# Allegro board 1155001-Timing_board_V3_20241024_1805_pcb.brd (continued)
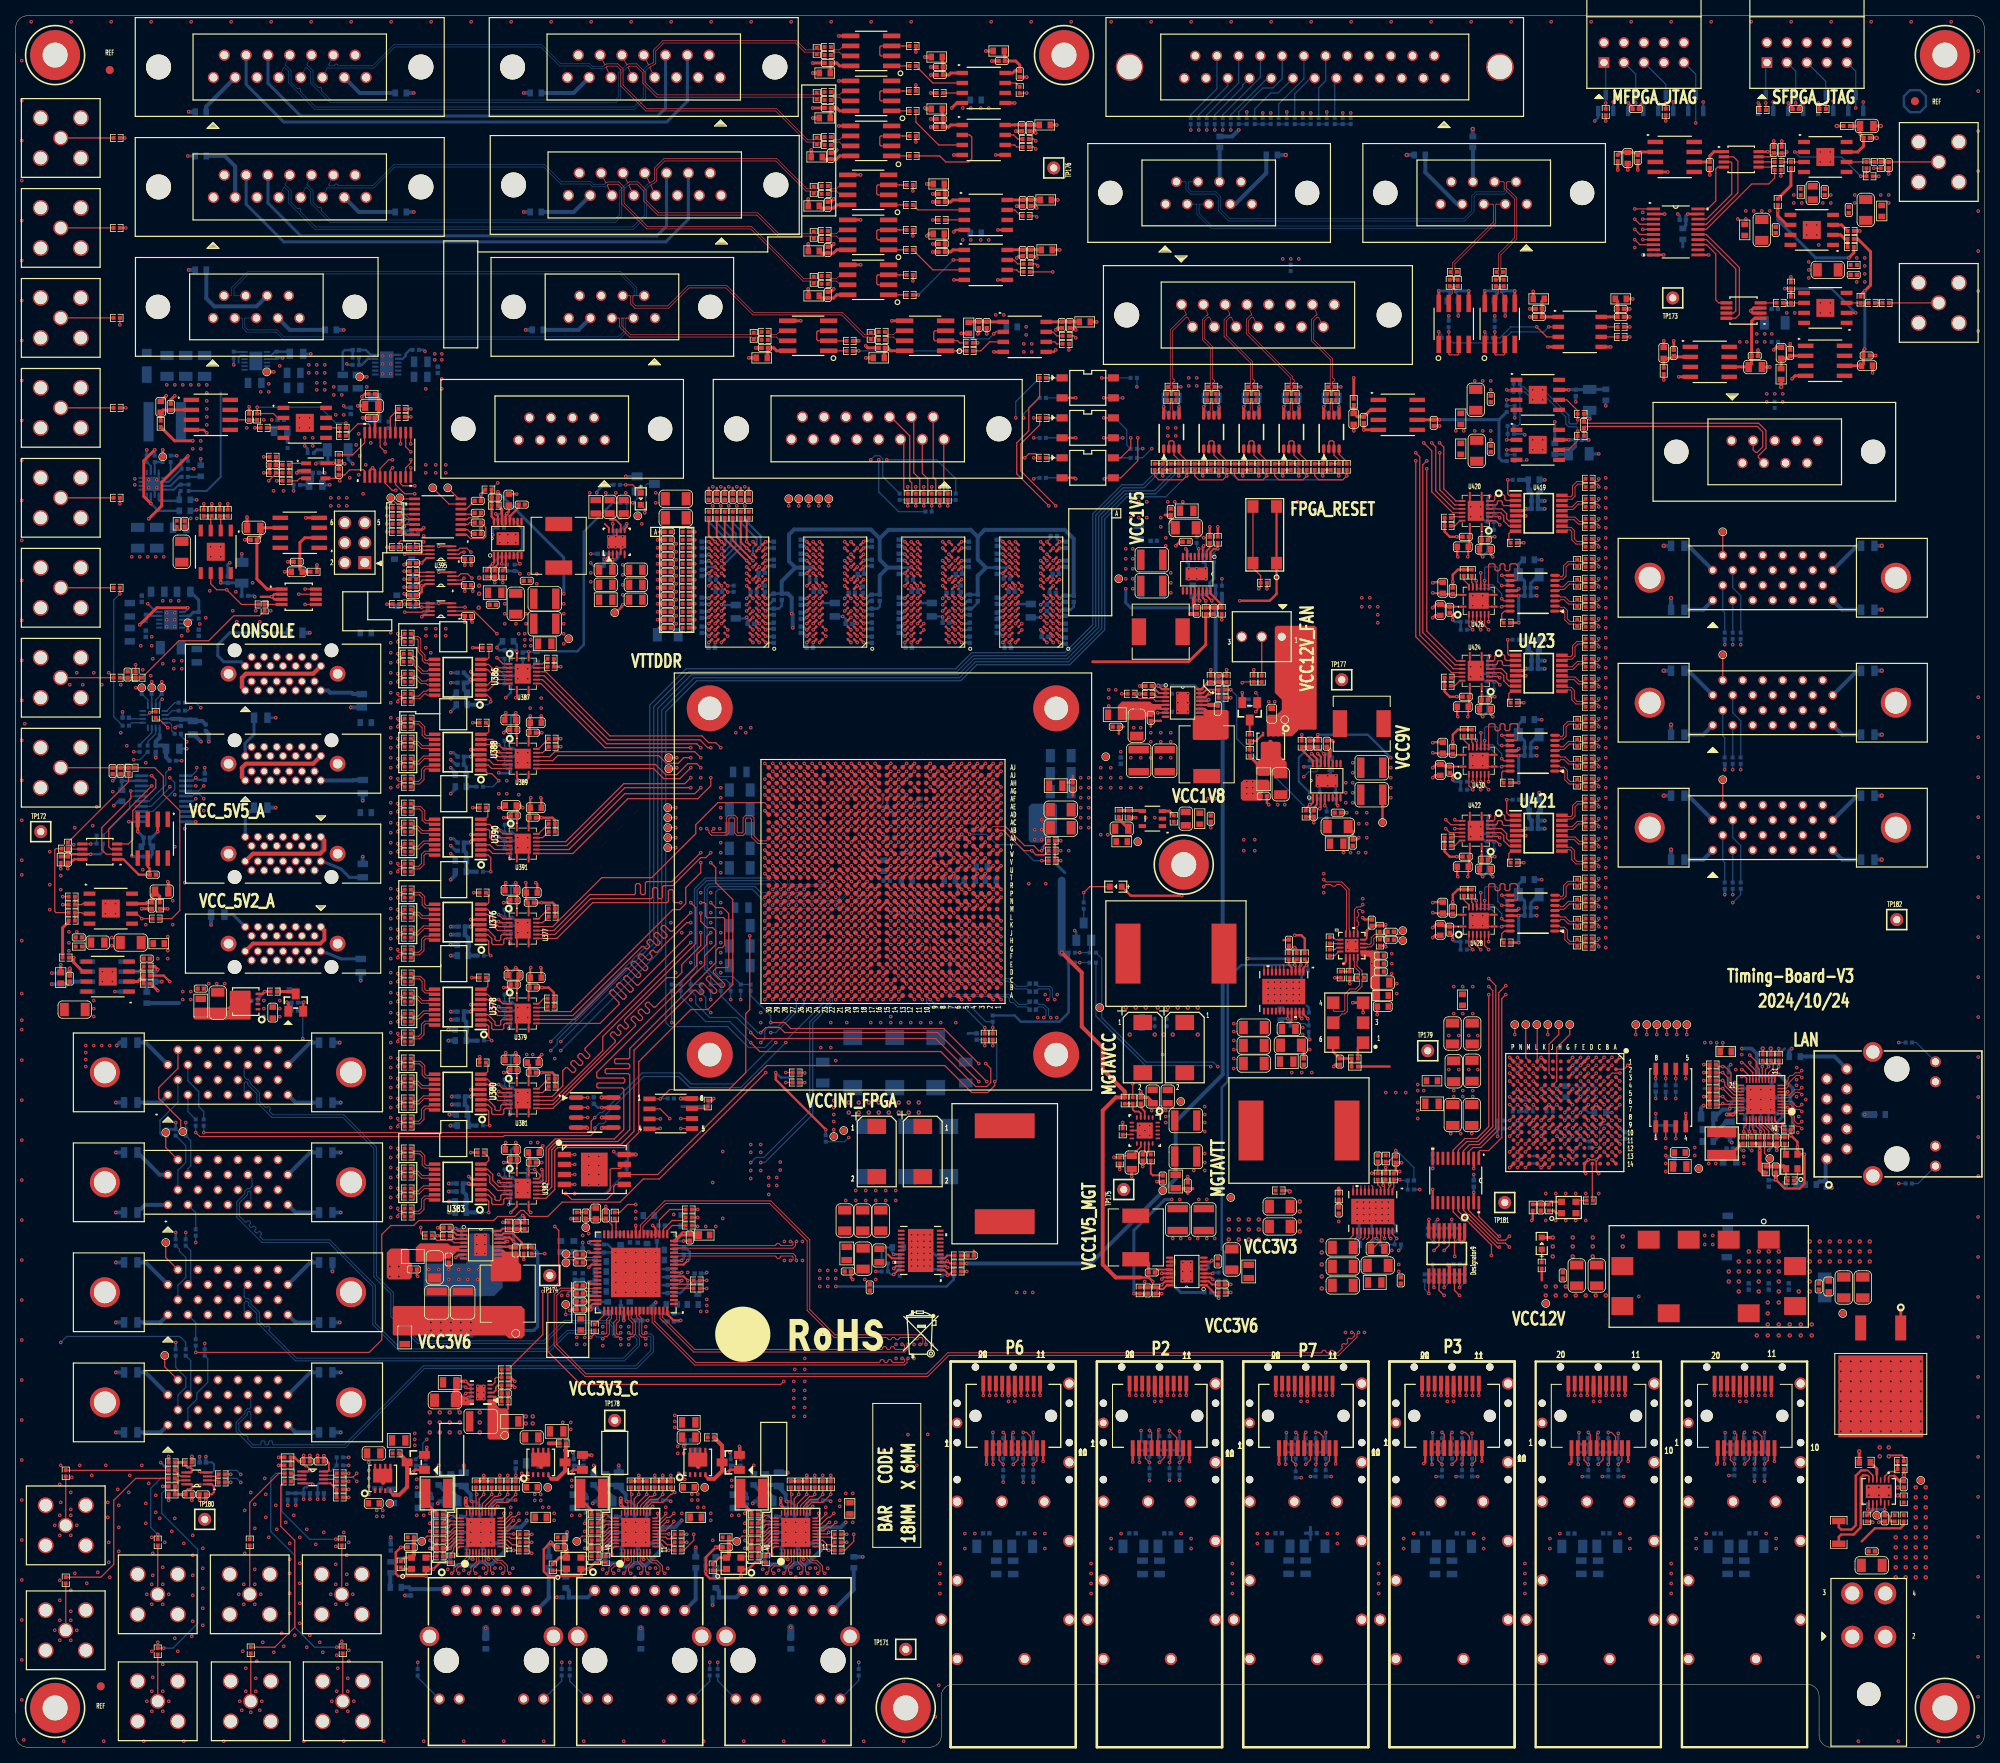
[diagram p0: board, top side]
## Routing (per net, layer and track width the routed paths; a pad name or vN(x,y) marks a point on that pad's centre or on a via; arc(x,y) is an arc through that point) (continued)
$45N24: length 3.7
  TOP w0.229: U23.1 75.33,151.4 v1(74.8,150.88)
  BOTTOM w0.381: R221.2 C271.1 74.7,150.98 v1(74.8,150.88) 74.7,150.77 R219.1
$45N300: length 6
  TOP w0.157: DS18.2 79.88,157.36 v1(79.88,156.84)
  BOTTOM w0.157: Q10.3 80.17,160.53 80.01,160.37 80.01,156.97 v1(79.88,156.84)
$45N301: length 3.1
  TOP w0.157: DS18.1 78.36,160.4 v1(77.47,160.4)
  BOTTOM w0.157: v1(77.47,160.4) R87.2
N319534: length 1.5
  TOP w0.254: U75.L8 v1(113.72,149.17)
  BOTTOM w0.157: v1(113.72,149.17) 113.94,148.95 R458.1
N335210: length 1.3
  TOP w0.254: U76.L8 v1(126.17,149.17)
  BOTTOM w0.157: R490.1 126.26,149.08 v1(126.17,149.17)
N421789: length 1.4
  TOP w0.254: U77.L8 v1(88.83,149.17)
  BOTTOM w0.157: R492.1 88.92,149.08 v1(88.83,149.17)
N421983: length 1.5
  TOP w0.254: U78.L8 v1(101.27,149.17)
  BOTTOM w0.157: R494.1 101.62,148.82 v1(101.27,149.17)
N577021: length 3.7
  TOP w0.157: v1(184.95,35.94) 185.41,36.4 P3.9
  BOTTOM w0.157: R391.2 v1(184.95,35.94) R2432.1
N577039: length 3.6
  TOP w0.157: P3.7 183.81,36.07 v1(183.68,35.94)
  BOTTOM w0.157: R392.2 v1(183.68,35.94) R2433.1
N577123: length 3.8
  TOP w0.157: P3.3 180.61,36.47 v1(181.14,35.94)
  BOTTOM w0.157: R12.2 v1(181.14,35.94) R2558.2
N601768: length 3.4
  TOP w0.157: v1(146.52,36.2) 146.66,36.33 P2.7
  BOTTOM w0.102: R18.2 v1(146.52,36.2)
  BOTTOM w0.157: R2435.1 v1(146.52,36.2)
N601812: length 3.5
  TOP w0.157: v1(147.79,36.2) 148.26,36.66 P2.9
  BOTTOM w0.102: R23.2 v1(147.79,36.2)
  BOTTOM w0.157: R2434.1 v1(147.79,36.2)
N601906: length 3.5
  TOP w0.157: P2.3 143.46,36.72 v1(143.98,36.2)
  BOTTOM w0.157: R19.2 v1(143.98,36.2) R2559.2
N929679: length 2.1
  TOP w0.157: U89.6 v1(210.82,84.96)
  BOTTOM w0.157: R670.1 v1(210.82,84.96)
N932083: length 1.4
  TOP w0.157: U90.3 198.32,69.47 R669.1
N932121: length 3.8
  TOP w0.305: L55.1 C800.1 R986.2 195.02,69.3 U90.4
N932133: length 1.7
  TOP w0.254: R986.1 195.35,68.18 195.67,67.86 U90.1
N932396: length 1.4
  TOP w0.157: U88.G8 v1(197.72,79.65)
  BOTTOM w0.305: v1(197.72,79.65) 198.22,80.14 R665.1
N932403: length 1.8
  TOP w0.157: U88.H7 v1(195.72,81.64)
  BOTTOM w0.157: R666.1 195.22,81.14 v1(195.72,81.64)
N1107900: length 3
  TOP w0.157: U88.F8 v1(198.72,80.64)
  BOTTOM w0.305: v1(198.72,80.64) 199.22,81.14 C815.1 199.75,80.65 L40.1
N1108562: length 1.4
  TOP w0.157: U88.P8 v1(189.72,79.65)
  BOTTOM w0.157: R784.2 189.71,79.63 v1(189.72,79.65)
N1108569: length 1.6
  TOP w0.157: U88.L7 v1(192.72,81.64)
  BOTTOM w0.157: v1(192.72,81.64) 192.68,81.6 R785.2
N1108576: length 1.8
  TOP w0.157: U88.N7 v1(190.72,81.64)
  BOTTOM w0.157: R786.1 190.1,81.02 v1(190.72,81.64)
N1108697: length 1.4
  TOP w0.157: U88.P9 v1(189.72,78.65)
  BOTTOM w0.157: v1(189.72,78.65) 189.69,78.61 R787.2
N1108945: length 6.3
  TOP w0.157: U88.B8 v1(202.72,79.65)
  BOTTOM w0.102: v1(202.72,79.65) 202.2,79.12 201.55,79.12 201.17,78.74 201.17,76.45 200.89,76.18 R788.1
N16507224: length 1.4
  TOP w0.157: U247.U27 v1(98.14,112)
  BOTTOM w0.102: C942.1 U247.U27 v1(98.14,112)
N16507228: length 1.4
  TOP w0.157: U247.U28 v1(97.14,112)
  BOTTOM w0.102: v1(97.14,112) U247.U28 C941.1
N16578782: length 6
  TOP w0.157: U105.32 75.74,66.35 C1005.2 74.88,67.12 C1004.1 73.61,67.16 C1003.2 TP31.1
N16578824: length 2.6
  TOP w0.157: C1004.2 72.94,68.52 C1003.1 R1004.2
N16578950: length 8.5
  TOP w0.102: v1(69.85,54.99) TP32.1
  TOP w0.254: C1007.2 v1(72.77,56.64) 72.95,56.82 U105.50
  BOTTOM w0.102: C1006.1 C1008.2 ; C1008.2 72.01,55.5 71.5,54.99 v1(69.85,54.99) ; C1008.2 72.75,56.62 v1(72.77,56.64)
N16578970: length 2.1
  BOTTOM w0.102: R1005.1 72.01,58.31 C1008.1 C1006.2
N16579368: length 2.2
  TOP w0.254: v1(84.58,59.31) 84.57,59.33 U105.7
  BOTTOM w0.305: C995.2 84,58.72 v1(84.58,59.31)
N16579404: length 4.8
  TOP w0.254: U105.8 84.83,59.83 v1(85.34,59.31)
  BOTTOM w0.305: C996.2 84.4,57.71 85.34,58.65 v1(85.34,59.31)
N16579416: length 2.2
  TOP w0.254: v1(84.58,60.33) U105.9
  BOTTOM w0.305: C999.2 84,59.74 v1(84.58,60.33)
N16579428: length 5.3
  TOP w0.254: U105.11 84.82,61.32 v1(85.34,61.85)
  BOTTOM w0.305: v1(85.34,61.85) 85.6,62.1 85.6,62.94 85.15,63.39 C1000.1 83.98,63.39 C997.2
N16579440: length 1.8
  TOP w0.254: v1(84.58,61.85) 84.56,61.83 U105.12
  BOTTOM w0.305: v1(84.58,61.85) 84.84,62.1 C1000.2
N16579592: length 2.1
  TOP w0.254: v1(72.77,59.05) 73,58.82 U105.46
  BOTTOM w0.381: C1002.1 72.9,59.18 v1(72.77,59.05)
N16579620: length 2.2
  TOP w0.254: v1(72.77,57.4) 72.85,57.33 U105.49
  BOTTOM w0.254: v1(72.77,57.4) 73.09,57.4 C1001.1
N16579670: length 2.4
  TOP w0.254: U105.35 72.96,64.32 v1(72.77,64.14)
  BOTTOM w0.254: v1(72.77,64.14) 73.03,63.88 R994.2
N16645854:
  vias: v1(214.5,65.02) v1(214.5,63.88) v1(215.52,65.02) v1(215.52,63.88)
N16650422: length 12.9
  TOP w0.203: U112.5 235.85,34.53 235.2,35.18 234.95,35.18
  TOP w0.305: R1034.2 231.52,27.97 231.83,27.66 233.15,27.66 233.68,28.19 233.68,34.49 234.37,35.18 234.95,35.18
  vias: v2(231.78,49.02) v2(231.78,47.75) v2(231.78,46.48) v2(231.78,45.21) v2(231.78,43.94) v2(231.78,42.67) v2(231.78,41.4) v2(231.78,40.13) v2(233.04,49.02) v2(233.04,47.75) v2(233.04,46.48) v2(233.04,45.21) v2(233.04,43.94) v2(233.04,42.67) v2(233.04,41.4) v2(233.04,40.13) v2(234.31,49.02) v2(234.31,47.75) v2(234.31,46.48) v2(234.31,45.21) v2(234.31,43.94) v2(234.31,42.67) v2(234.31,41.4) v2(234.31,40.13) v2(235.59,49.02) v2(235.59,47.75) v2(235.59,46.48) v2(235.59,45.21) v2(235.59,43.94) v2(235.59,42.67) v2(235.59,41.4) v2(235.59,40.13) v2(236.85,49.02) v2(236.85,47.75) v2(236.85,46.48) v2(236.85,45.21) v2(236.85,43.94) v2(236.85,42.67) v2(236.85,41.4) v2(236.85,40.13) v2(238.12,49.02) v2(238.12,47.75) v2(238.12,46.48) v2(238.12,45.21) v2(238.12,43.94) v2(238.12,42.67) v2(238.12,41.4) v2(238.12,40.13) v2(239.4,49.02) v2(239.4,47.75) v2(239.4,46.48) v2(239.4,45.21) v2(239.4,43.94) v2(239.4,42.67) v2(239.4,41.4) v2(239.4,40.13) v2(240.66,49.02) v2(240.66,47.75) v2(240.66,46.48) v2(240.66,45.21) v2(240.66,43.94) v2(240.66,42.67) v2(240.66,41.4) v2(240.66,40.13) v2(241.94,49.02) v2(241.94,47.75) v2(241.94,46.48) v2(241.94,45.21) v2(241.94,43.94) v2(241.94,42.67) v2(241.94,41.4) v2(241.94,40.13)
N16650464: length 7.2
  TOP w0.203: v1(235.2,30.23) 235.35,30.37 U112.7 ; U112.11 v1(237.35,30.23)
  TOP w0.254: R1039.2 238.15,28.68 238,28.84 238,29.33 237.85,29.48 C1146.2 237.35,29.49 v1(237.35,30.23)
  BOTTOM w0.381: v1(237.35,30.23) v1(235.2,30.23) 235.22,30.25 R1038.2
N16650588: length 2
  TOP w0.203: U112.8 235.85,30.26 235.84,30.25
  TOP w0.305: 235.84,30.25 235.84,30.12 235.2,29.48 R1033.2
N16650604: length 2.6
  TOP w0.203: 236.35,34.67 U112.4
  TOP w0.381: R1062.2 236.35,35.37 236.35,34.67
N16650648: length 30.3
  TOP w0.381: 239.4,53.28 v2(239.4,55.5) ; v2(234.12,37.59) R1062.1
  ART03 w0.381: v2(234.12,37.59) 232.79,37.59 230.76,39.62 230.76,51.82 234.57,55.63 239.27,55.63 v2(239.4,55.5)
N16650778: length 2.7
  TOP w0.203: 238.56,34.49 238,34.49 237.85,34.35 U112.1
  TOP w0.381: 238.56,34.49 239.25,33.8 C1151.1
N16650844: length 3.5
  TOP w0.203: U112.2 237.35,34.41 237.97,35.03 238.69,35.03 R1063.1
  TOP w0.254: R1040.2 R1063.1
N16650852: length 1.6
  TOP w0.157: U112.9 236.35,29.47 TP40.1
N16671344: length 1.9
  TOP w0.254: 110.77,62.61 111.26,62.12 U113.19
N16672317: length 1.7
  TOP w0.254: U113.20 v1(111.51,61.62)
  BOTTOM w0.254: R1044.2 111.55,61.58 v1(111.51,61.62)
N16672324: length 1.9
  TOP w0.254: v1(111.51,60.83) 111.79,61.12 U113.21
  BOTTOM w0.254: R1043.2 111.61,60.73 v1(111.51,60.83)
N16672331: length 3.1
  TOP w0.254: U113.22 112.05,60.62 v1(111.51,60.07)
  BOTTOM w0.254: R1050.2 110.74,61.45 110.74,60.47 R1042.2 111.14,60.07 v1(111.51,60.07)
N16672704: length 0.6
  TOP w0.305: 121.69,63.1 C1159.1
N16673248: length 3.2
  TOP w0.254: U113.1 117.94,60.62 118.31,60.25 v1(118.31,59.99) 118.51,59.99 118.98,60.45 R1047.1
  BOTTOM w0.254: R1046.2 117.73,60.05 118.25,60.05 v1(118.31,59.99)
N16673267: length 2
  TOP w0.254: R1049.1 118.31,62.48 117.94,62.12 U113.4
N16673329: length 0.9
  TOP w0.254: R1049.2 C1159.2
N16673629: length 2.9
  TOP w0.254: v1(118.31,60.96) 118.15,61.12 U113.2
  BOTTOM w0.254: R1045.2 118.89,60.96 v1(118.31,60.96) 118.31,60.99 R1048.1
N16695258: length 1.9
  TOP w0.254: U114.4 v1(166.25,119.63)
  BOTTOM w0.157: R1051.2 166.5,119.38 v1(166.25,119.63)
N16695470: length 1.8
  TOP w0.254: C1165.1 164.85,119.38 165.25,119.78 U114.2
N16695562: length 2.8
  TOP w0.254: R1054.2 163.83,119.25 v1(164.34,119.76) 164.47,119.76 164.75,120.04 U114.1
  BOTTOM w0.157: R1081.1 v1(164.34,119.76)
N16695602: length 0.9
  TOP w0.381: 167.36,127.76 167.21,127.91 C1166.1
N16695606: length 2.3
  TOP w0.279: 166.88,125.98 166.88,125.86 166.75,125.73 U114.12
  TOP w0.508: C1166.2 166.88,126.73 166.88,125.98
N16695702: length 4.8
  TOP w0.279: R1056.1 163.32,126.75 164.75,125.32 U114.16
  TOP w0.381: R1055.1 C1167.1 R1056.1
N16695978: length 2.7
  TOP w0.254: v1(165.61,119.25) 165.75,119.39 U114.3
  BOTTOM w0.254: R1052.1 v1(165.61,119.25)
N16716359: length 1.9
  TOP w0.254: U116.4 v1(150.24,152.27)
  BOTTOM w0.157: v1(150.24,152.27) 149.99,152.52 R1067.2
N16716571: length 1.9
  TOP w0.254: U116.2 151.24,152 151.64,152.4 C1190.1
N16716663: length 3.5
  TOP w0.254: R1070.2 v1(152.65,152.27) 152.15,152.27 151.74,151.86 U116.1
  BOTTOM w0.157: v1(152.65,152.27) 152.15,151.76 R1071.1
N16716703: length 0.9
  TOP w0.508: C1191.1 149.12,144
N16716707: length 2.3
  TOP w0.279: U116.12 149.74,146.18 149.61,146.05 149.61,145.92
  TOP w0.508: C1191.2 149.61,145.18 149.61,145.92
N16716803: length 4.8
  TOP w0.279: R1073.1 153.16,145.16 151.74,146.58 U116.16
  TOP w0.381: R1073.1 C1192.1 R1072.1
N16717075: length 2.7
  TOP w0.254: v1(150.88,152.65) 150.74,152.52 U116.3
  BOTTOM w0.254: R1068.1 v1(150.88,152.65)
N16718397: length 3.6
  TOP w0.279: U116.15 151.24,146.32 v1(151.89,145.67)
  BOTTOM w0.381: R1075.2 R1074.2 152.38,146.16 v1(151.89,145.67)
N16720636: length 3.4
  TOP w0.203: U23.2 75.83,150.88 v1(75.82,150.88)
  TOP w0.305: C340.1 75.78,150.84 v1(75.82,150.88)
  BOTTOM w0.381: v1(75.82,150.88) 76.2,150.88 76.47,151.15 R221.1
N16720676: length 3.5
  TOP w0.229: 75.44,155.96 76.2,155.96 76.83,155.33 U23.7 ; 74.8,155.45 75.33,154.92 U23.10
N16721374: length 1.7
  TOP w0.229: v1(75.82,155.45) 75.83,155.44 U23.9
  BOTTOM w0.157: v1(75.82,155.45) 75.82,156.1 R459.1
N16725153: length 3.5
  TOP w0.279: U114.15 165.25,125.58 v1(164.59,126.24)
  BOTTOM w0.157: R1088.2 R1086.2 164.34,125.98 v1(164.59,126.24)
N16728285: length 1.9
  TOP w0.254: U118.19 162.04,92.34 161.77,92.08 161.42,92.08
N16728485: length 1.7
  TOP w0.254: U118.20 v1(162.54,92.58)
  BOTTOM w0.157: v1(162.54,92.58) 162.58,92.63 R1094.2
N16728493: length 3.8
  TOP w0.254: U118.22 163.54,93.13 v1(164.08,92.58)
  BOTTOM w0.157: R1099.2 162.96,91.95 163.7,91.95 163.94,91.71 R1092.2 164.21,92.46 v1(164.08,92.58)
N16728501: length 1.9
  TOP w0.254: U118.21 163.04,92.87 v1(163.32,92.58)
  BOTTOM w0.157: R1093.2 163.43,92.69 v1(163.32,92.58)
N16728563: length 5.7
  TOP w0.157: U118.11 158.54,99.27 ; U118.8 160.04,99.3 ; U118.9 159.54,99.29 ; 160.91,99.44 161.04,99.31 U118.6 ; U118.10 159.04,99.28 ; U118.7 160.54,99.31
  TOP w0.305: 161,102.55 161.62,102.55 C1208.1
N16728607: length 2.7
  TOP w0.254: U118.1 163.54,99 163.91,99.37 v1(163.96,99.37) 163.96,99.84 R1100.1
  BOTTOM w0.254: v1(163.96,99.37) 164.1,99.23 R1095.2
N16728623: length 1.8
  TOP w0.254: R1098.1 161.67,99.44 162.04,99.08 U118.4
N16728663: length 0.9
  TOP w0.305: R1098.2 161.67,101.8 C1208.2
N16728745: length 2.3
  TOP w0.254: U118.2 163.04,99.23 v1(163.19,99.39)
  BOTTOM w0.305: v1(163.19,99.39) 163.19,99.9 162.89,100.2 R1101.1
N16769495: length 1.9
  TOP w0.254: U119.4 v1(152.01,60.2)
  BOTTOM w0.254: R1102.2 152.14,60.33 v1(152.01,60.2)
N16769695: length 2
  TOP w0.254: C1221.1 151.92,58.8 151.52,59.2 U119.2
N16769791: length 4.3
  TOP w0.254: v1(152.76,57.04) R1105.2 152.15,57.78 151.23,58.7 U119.1
  BOTTOM w0.381: R1106.1 152.02,57.78 v1(152.76,57.04)
N16769823: length 3
  TOP w0.381: C1222.1 143.87,61.49 143.36,62 L102.1
N16769839: length 2
  TOP w0.254: U119.12 145.05,60.7 C1222.2
N16769935: length 4.1
  TOP w0.254: R1107.1 C1223.1 R1108.1 145.14,58.44 145.36,58.22 145.72,58.22 146.2,58.7 U119.16
N16770219: length 2
  TOP w0.254: U119.3 151.75,59.7 v1(152.02,59.44)
  BOTTOM w0.254: R1103.1 152.15,59.31 v1(152.02,59.44)
N16770359: length 4
  TOP w0.254: v1(145.54,58.78) 145.97,59.2 U119.15
  BOTTOM w0.254: v1(145.54,58.78) 144.98,58.22 144.98,57.97 144.65,57.64 R1109.2 R1110.2
N16771394: length 1.5
  TOP w0.203: C1229.2 143.38,75.58 U120.13
N16771812: length 3.2
  TOP w0.254: R1114.2 144.15,72.92 144.4,72.66 C1231.2
N16773503: length 1.2
  TOP w0.157: U120.9 140.62,77.86 R1111.2
N16774020: length 2
  TOP w0.229: U120.3 143.38,80.77 142.88,81.28 C1235.1
N16774481: length 3.5
  TOP w0.229: R1113.1 141.86,81.03 142.11,80.77 142.63,80.77 142.88,80.52 U120.4
  TOP w0.254: R1112.2 R1113.1
N16776070: length 1.5
  TOP w0.203: U120.14 143.88,75.59 R1114.1
N16776537: length 3.6
  TOP w0.157: C1238.1 140.4,75.14 R1115.2
  TOP w0.203: U120.12 142.88,76.29 C1238.1
N16895382: length 3.3
  TOP w0.157: v1(157.48,131.57) 157.67,131.76 Q21.1
  BOTTOM w0.157: v1(157.48,131.57) 157.75,131.84 R1197.1 R1196.1
N16895384: length 3.2
  TOP w0.254: R1198.2 R2541.1 157.55,127.87 Q20.4
N16895484: length 1.7
  TOP w0.381: 157.86,124.76 156.72,125.91 R1198.1
N17066271: length 2.7
  TOP w0.157: U88.B10 v1(202.72,77.65)
  BOTTOM w0.157: R657.1 204.29,77.14 203.23,77.14 v1(202.72,77.65)
N17066278: length 1.4
  TOP w0.157: U247.R23 v1(102.14,109)
  BOTTOM w0.157: R276.1 102.63,108.51 v1(102.14,109)
N17765267: length 2
  TOP w0.254: U116.7 148.74,152.13 v1(148.59,152.27)
  BOTTOM w0.254: R1069.2 148.84,152.02 v1(148.59,152.27)
N17766516: length 2.2
  TOP w0.254: v1(151.89,61.85) 151.74,61.7 U119.7
  BOTTOM w0.381: R1104.2 151.4,61.36 v1(151.89,61.85)
N17767089: length 2
  TOP w0.254: v1(167.89,119.63) 167.75,119.78 U114.7
  BOTTOM w0.254: v1(167.89,119.63) 167.64,119.89 R1053.2
N20520588: length 5.4
  TOP w0.381: TP68.1 v1(44.58,174.12)
  BOTTOM w0.305: 41.53,175.01 41.53,177.27 41.78,177.52 C1340.1 R2079.1
N20520628: length 3.4
  BOTTOM w0.254: U133.5 44.96,176.42
  BOTTOM w0.305: 44.96,176.42 44.72,176.42 43.94,175.64 R2080.1 R2079.2
N20520632: length 2.3
  BOTTOM w0.254: 44.96,177.04 45.08,176.92 U133.6
  BOTTOM w0.305: C1340.2 44.48,177.52 44.96,177.04
N20520738: length 2.5
  BOTTOM w0.254: U133.8 49.16,176.42 49.4,176.66
  BOTTOM w0.305: 49.4,176.66 49.53,176.78 49.53,177.04 50.04,177.55 R2083.2
N21090058: length 4.9
  TOP w0.305: L54.1 R984.2 168.17,87.5 C930.2 167.32,88.35 U103.6
N21090105: length 2.3
  TOP w0.305: R984.1 170.45,88.86 U103.1
N21090305: length 3
  TOP w0.254: R988.2 R987.2 169.42,98.57 U245.2
N21904866: length 17.4
  TOP w0.157: TP92.1 v1(209.68,90.55) ; U88.A10 v1(203.72,77.65)
  ART03 w0.117: v1(203.72,77.65) 203.88,77.65 205.26,79.02 205.26,84.04 207.06,85.84 207.06,87.93 v1(209.68,90.55)
N21904868: length 20.4
  TOP w0.157: U88.A12 v1(203.72,75.65) ; TP93.1 v1(212.22,90.55)
  ART03 w0.117: v1(212.22,90.55) 207.77,86.11 207.77,85.55 205.94,83.72 205.94,78.69 204.41,77.16 204.41,76.65 203.72,75.96 v1(203.72,75.65)
N21904877: length 20.5
  TOP w0.157: TP94.1 v1(210.95,90.55) ; U88.A13 v1(202.72,75.64)
  ART03 w0.117: v1(202.72,75.64) 203.15,76.07 203.15,76.79 203.51,77.14 203.89,77.14 205.61,78.87 205.61,83.89 207.42,85.69 207.42,87.02 v1(210.95,90.55)
N21904886: length 20.2
  TOP w0.157: U88.B13 v1(201.72,75.64) ; TP95.1 v1(208.41,90.55)
  ART03 w0.117: v1(201.72,75.64) 202.22,76.14 202.22,76.87 202.49,77.14 203,77.14 203.2,77.34 203.2,77.98 203.45,78.23 203.96,78.23 204.9,79.17 204.9,84.19 206.71,85.99 206.71,88.85 v1(208.41,90.55)
N21904895: length 20.7
  TOP w0.157: TP96.1 v1(207.14,90.55) ; U88.C12 v1(200.72,75.65)
  ART03 w0.117: v1(207.14,90.55) 206.35,89.76 206.35,86.14 204.55,84.33 204.55,79.78 203.96,79.2 203.61,79.2 203.2,78.79 203.2,78.41 202.94,78.14 201.38,78.14 201.17,77.93 201.17,76.09 v1(200.72,75.65)
N21904904: length 21.1
  TOP w0.157: U88.F12 v1(198.72,76.64) ; TP97.1 v1(205.74,90.55)
  ART03 w0.117: v1(205.74,90.55) 205.99,90.3 205.99,86.28 204.19,84.48 204.19,81.43 203.23,80.47 203.23,79.38 203,79.14 200.36,79.14 200.22,79 200.22,77.14 199.72,76.64 v1(198.72,76.64)
N21904956: length 4.9
  TOP w0.157: U88.M1 191.77,87.6 TP90.1
N21904965: length 7.4
  TOP w0.157: U88.J3 194.72,85.64 194.72,89.31 195.96,90.55 TP91.1
N21904974: length 4.7
  TOP w0.157: U88.L1 193.22,91.77 TP98.1
N21904983: length 8.6
  TOP w0.157: TP99.1 197.36,90.55 195.71,88.9 195.71,84.63 U88.J4
N21905005: length 9.6
  TOP w0.157: TP100.1 v1(194.56,90.55) ; U88.L5 v1(192.72,83.64)
  ART03 w0.117: v1(194.56,90.55) 194.56,85.49 v1(192.72,83.64)
N21905014: length 8.2
  TOP w0.157: U88.N4 v1(190.72,84.64) ; TP101.1 v1(190.37,90.55)
  ART03 w0.117: v1(190.72,84.64) 190.22,85.15 190.22,90.4 v1(190.37,90.55)
N21905899: length 1.7
  TOP w0.122: TP143.1 69.88,62.67 70.28,62.27 70.89,62.27 C2394.2
N21905901: length 1.7
  TOP w0.122: TP142.1 70.27,61.94 70.89,61.94 C2395.2
N21905987: length 68
  TOP w0.157: U247.AK13 v1(113.14,125) ; TP116.1 v1(101.98,157.73)
  ART08 w0.117: v1(101.98,157.73) 100.53,156.28 86.67,156.28 85.37,154.99 85.37,141.76 87.48,139.65 99.71,139.65 113.14,126.22 v1(113.14,125)
N21906019: length 67.4
  TOP w0.157: U247.AH14 v1(112.14,123) ; TP133.1 v1(98.17,157.73)
  ART08 w0.117: v1(98.17,157.73) 97.6,157.17 86.05,157.17 84.49,155.61 84.49,141.39 87.11,138.76 99.35,138.76 111.64,126.47 111.64,123.5 v1(112.14,123)
N21906030: length 67.2
  TOP w0.157: TP134.1 v1(99.44,157.73) ; U247.AJ14 v1(112.14,124)
  ART08 w0.117: v1(112.14,124) 112.14,126.39 99.47,139.06 87.24,139.06 84.78,141.51 84.78,155.49 86.17,156.87 98.58,156.87 v1(99.44,157.73)
N21906041: length 68.3
  TOP w0.157: U247.AJ13 v1(113.14,124) ; TP135.1 v1(100.71,157.73)
  ART08 w0.117: v1(100.71,157.73) 99.56,156.58 86.37,156.58 85.08,155.28 85.08,141.63 87.36,139.35 99.59,139.35 112.73,126.21 112.73,124.41 v1(113.14,124)
N21906052: length 70.1
  TOP w0.157: TP136.1 v1(103.25,157.73) ; U247.AJ12 v1(114.14,124)
  ART08 w0.117: v1(103.25,157.73) 101.51,155.99 86.9,155.99 85.67,154.75 85.67,141.88 87.6,139.94 99.83,139.94 113.64,126.14 113.64,124.5 v1(114.14,124)
N21908350: length 3.8
  TOP w0.157: R855.1 v1(222.61,86.49) 222.21,86.09 U93.14
  BOTTOM w0.157: v1(222.61,86.49) 222.88,86.76 R849.2
N21912553: length 1.6
  TOP w0.157: R2050.2 DS24.1
N21945396: length 4.5
  TOP w0.122: C939.2 173.89,103.28 173.56,103.28 R992.1 172.89,103.28 172.57,103.28 172.14,102.84 172.14,102.18 171.97,102.02 171.69,102.02 171.61,102.1 U245.7
N21945398: length 4.5
  TOP w0.122: C940.2 173.88,102.95 173.56,102.95 R991.1 172.94,102.95 172.7,102.95 172.47,102.71 172.47,102.05 172.11,101.69 171.67,101.69 171.58,101.6 U245.6
N21945416: length 1.5
  TOP w0.122: TP137.1 175.69,102.94 175.37,102.94 C940.1
N21945418: length 1.5
  TOP w0.122: C939.1 175.37,103.27 175.66,103.27 TP138.1
N21955669: length 3.6
  TOP w0.157: v1(127.95,35.94) 128.08,36.07 P6.7
  BOTTOM w0.102: R2051.2 v1(127.95,35.94)
  BOTTOM w0.157: R2437.1 v1(127.95,35.94)
N21955690: length 3.7
  TOP w0.157: v1(129.22,35.94) 129.68,36.4 P6.9
  BOTTOM w0.102: R2052.2 v1(129.22,35.94)
  BOTTOM w0.157: R2436.1 v1(129.22,35.94)
N21955726: length 3.8
  TOP w0.157: v1(125.41,35.94) 124.88,36.47 P6.3
  BOTTOM w0.157: R2560.2 v1(125.41,35.94) R2056.2
N21956803: length 3.6
  TOP w0.157: P7.7 165.23,36.07 v1(165.1,35.94)
  BOTTOM w0.157: R2059.2 v1(165.1,35.94) R2439.1
N21956824: length 3.7
  TOP w0.157: v1(166.37,35.94) 166.83,36.4 P7.9
  BOTTOM w0.157: R2060.2 v1(166.37,35.94) R2438.1
N21956860: length 3.9
  TOP w0.157: v1(162.56,35.92) 162.03,36.45 P7.3
  BOTTOM w0.157: R2064.2 v1(162.56,35.92) R2561.2
N22202247: length 4.4
  TOP w0.157: U115.4 144.76,132.93 144.45,133.25 142.61,133.25 R1059.2
N22202347: length 2.1
  TOP w0.254: C1176.1 145.19,133.93 U115.2
N22202393: length 3
  TOP w0.254: U115.1 145.55,134.43 v2(145.11,134.87)
  BOTTOM w0.381: R1064.2 R1061.1 v2(145.11,134.87)
N22202417: length 2.3
  TOP w0.305: U115.12 151.5,132.43
  TOP w0.508: 151.5,132.43 152.57,132.43 C1179.2
N22202453: length 2.1
  TOP w0.157: U115.7 145.04,131.43 v1(145.03,131.44)
  BOTTOM w0.157: R1066.2 145.67,131.56 145.54,131.44 v1(145.03,131.44)
N22202455: length 3.8
  TOP w0.305: U115.16 150.56,134.43 151.49,135.36 R1089.1 151.8,135.33 C1180.1 R1057.1
N22202599: length 1.9
  TOP w0.254: U115.3 144.95,133.43 144.56,133.83 R1065.1
N22202663: length 3.6
  TOP w0.254: R1058.2 R1060.2 151.2,134.37 150.77,133.93 U115.15
N22225107: length 4.4
  TOP w0.157: R1140.2 53.46,64.41 55.35,64.41 55.66,64.1 U126.4
N22225172: length 2.1
  TOP w0.254: C1272.1 55.12,65.98 56.01,65.1 U126.2
N22225222: length 2.9
  TOP w0.254: U126.1 56.19,65.6 v1(55.88,65.91)
  BOTTOM w0.381: v1(55.88,65.91) 56.01,65.79 R1142.1 R1143.2
N22225254: length 1.9
  TOP w0.254: v1(55.88,62.23) 56.25,62.6 U126.7
  BOTTOM w0.305: v1(55.88,62.23) 56.01,62.36 R1145.2
N22225256: length 2.3
  TOP w0.305: 62.76,63.6 U126.12
  TOP w0.508: 62.76,63.6 62.85,63.52 C1275.2
N22225276: length 29.9
  TOP w0.305: U126.14 61.9,64.6 62.07,64.77 62.74,64.77 v1(63.25,64.26) ; v1(64.39,67.56) 64.63,67.32 R1146.2 C1276.2
  BOTTOM w0.406: v1(64.39,67.56) 63.25,66.42 v1(63.25,64.26) 63.63,63.88 65.28,63.88 66.29,62.87 66.29,53.47 65.79,52.96 v2(57.78,52.96)
  vias: v2(52.7,53.98) v2(52.7,52.96) v2(53.98,53.98) v2(53.98,52.96) v2(55.24,53.98) v2(55.24,52.96) v2(56.52,53.98) v2(56.52,52.96) v2(57.78,53.98)
N22225298: length 3.6
  TOP w0.254: U126.16 61.54,65.6 61.83,65.89 R1147.1 63.58,65.89 C1276.1 R1146.1
N22225338: length 5.3
  TOP w0.254: U126.15 61.75,65.1 61.92,65.28 63.12,65.28 64.26,64.14 64.26,63.77 R1139.2 R1141.2
N22225448: length 1.9
  TOP w0.254: R1144.1 55.4,64.99 55.8,64.6 U126.3
N22237663: length 2.1
  TOP w0.157: R495.2 87.65,81.15 U6.7
N22239520: length 5.1
  TOP w0.381: L271.2 C2424.1 18.71,169.91 C2423.2 19.7,169.93 U268.2
N22239560: length 3.4
  TOP w0.157: R2073.1 C2425.2 U268.6
N22239588:
  vias: v1(40.64,169.29) v1(41.66,169.29)
N22239655: length 17.1
  TOP w0.157: R2074.2 v1(41.93,168.26) ; v1(30.66,170.26) R2073.2 32.73,169.46 33.27,168.91 U269.2
  BOTTOM w0.157: v1(41.93,168.26) 40.66,168.26 38.66,170.26 v1(30.66,170.26)
N22239679: length 2.7
  TOP w0.157: U269.6 R2074.1 R2447.1
N22239690:
  vias: v1(36.03,168.91) v1(36.03,167.64) v1(37.3,168.91) v1(37.3,167.64)
N22239962: length 3.3
  TOP w0.157: R3005.2 R2070.1 34.88,163.13 U267.1
N22239964: length 6.3
  TOP w0.157: U271.1 44.32,162.15 44.16,162.3 42.42,162.3 41.76,161.65 C2422.1 40.6,161.23 U267.4
N22240004: length 14.7
  TOP w0.157: v1(41.78,163.07) 41.42,163.43 R2071.2 C2422.2 ; v1(32.13,160.91) 33.04,161.82 R3006.2 R3005.1
  ART10 w0.117: v1(41.78,163.07) 41.27,162.56 33.78,162.56 v1(32.13,160.91)
N22240010: length 1.9
  TOP w0.157: R2070.2 C2944.1 R3026.1
N22240032: length 5.3
  TOP w0.381: U267.5 v1(40.33,163.13)
  BOTTOM w0.381: v1(40.33,163.13) 40.26,163.19 C2426.1 39.64,164.77 C2647.1 38.25,164.85 L267.2
N22240087: length 6.2
  TOP w0.381: v1(35.69,161.93) 35.94,162.18 U267.2
  BOTTOM w0.381: v1(35.69,161.93) C2428.1 37.7,160.85 C2429.1 L268.2
N22240109: length 5.2
  TOP w0.157: R2071.1 42.81,164.23 44.32,165.74 U271.20
N22240209: length 2.1
  TOP w0.157: U269.3 R2075.1
N22240229: length 4.7
  TOP w0.157: R2447.2 43.45,168.15 44.81,168.15 44.97,167.99 U271.19
N22415451: length 5.3
  BOTTOM w0.381: R2127.1 41.33,100.16 39.46,100.94 38.94,100.94 J81.14
N22415452: length 3.3
  BOTTOM w0.381: J81.13 27.6,105.79 R2128.1
N22415487: length 15.1
  BOTTOM w0.381: J77.14 28.61,137.92 26.42,137.92 25.65,138.68 25.65,140.08 27.17,141.6 R2129.1
N22415491: length 5.4
  BOTTOM w0.508: J77.13 39.64,134.27 39.93,133.98 42.65,133.98 42.81,133.82 R2130.1
N22415511: length 6
  BOTTOM w0.381: J80.14 39,112.56 41.31,111.6 42.38,110.53 R2131.1
N22415515: length 4.2
  BOTTOM w0.381: J80.13 29.15,118.26 R2132.1
N22546496: length 3.5
  BOTTOM w0.157: R2778.1 22.86,67.93 J73.3
N22546524: length 5.4
  BOTTOM w0.157: R2781.1 22.23,77.07 22.23,73.86 21.87,73.51 J73.16
N22546541: length 4.1
  TOP w0.157: TP145.1 19.05,76.19 J73.15
N22546645: length 5
  BOTTOM w0.508: J73.14 18.28,72.74 R2191.1
N22546648: length 4.3
  BOTTOM w0.508: R2190.1 16.43,68.92 J73.1
N22546901: length 7.8
  BOTTOM w0.157: R2192.1 21.59,76.43 21.59,74.3 20.6,73.3 J73.2
N22546923: length 4.4
  BOTTOM w0.508: J73.13 35.55,67.94 R2193.1
N22546932: length 5.1
  BOTTOM w0.508: J73.26 37.39,75.56 R2194.1
N22549363: length 5
  BOTTOM w0.508: R2196.1 16.5,89.54 J74.14
N22549365: length 4.3
  BOTTOM w0.508: R2195.1 18.36,81.92 J74.1
N22549725: length 3.5
  BOTTOM w0.157: R2779.1 21.87,80.77 J74.3
N22549739: length 7.8
  BOTTOM w0.157: R2782.1 23.88,80.77 23.24,81.41 23.24,83.31 21.87,84.68 J74.16
N22549899: length 12.7
  TOP w0.157: TP146.1 20.95,78.49 20.95,79.65 18.16,82.45 18.16,83.82 20.6,86.26 J74.15